# Altium PCB PCB - v2.PcbDoc (part 2 of 2)
Units mm, origin at the board's own origin, x right, y up, seen from the top; angles counter-clockwise.
Board outline 54.67 x 50.12 mm, 4 copper layers (Top Layer, Int1 (GND), Int2 (GND), Bottom Layer), stack 1.586 mm thick; 171 components, 116 nets, 752 pads, 250 vias.
Unrouted connection lines stored in the file: 6.
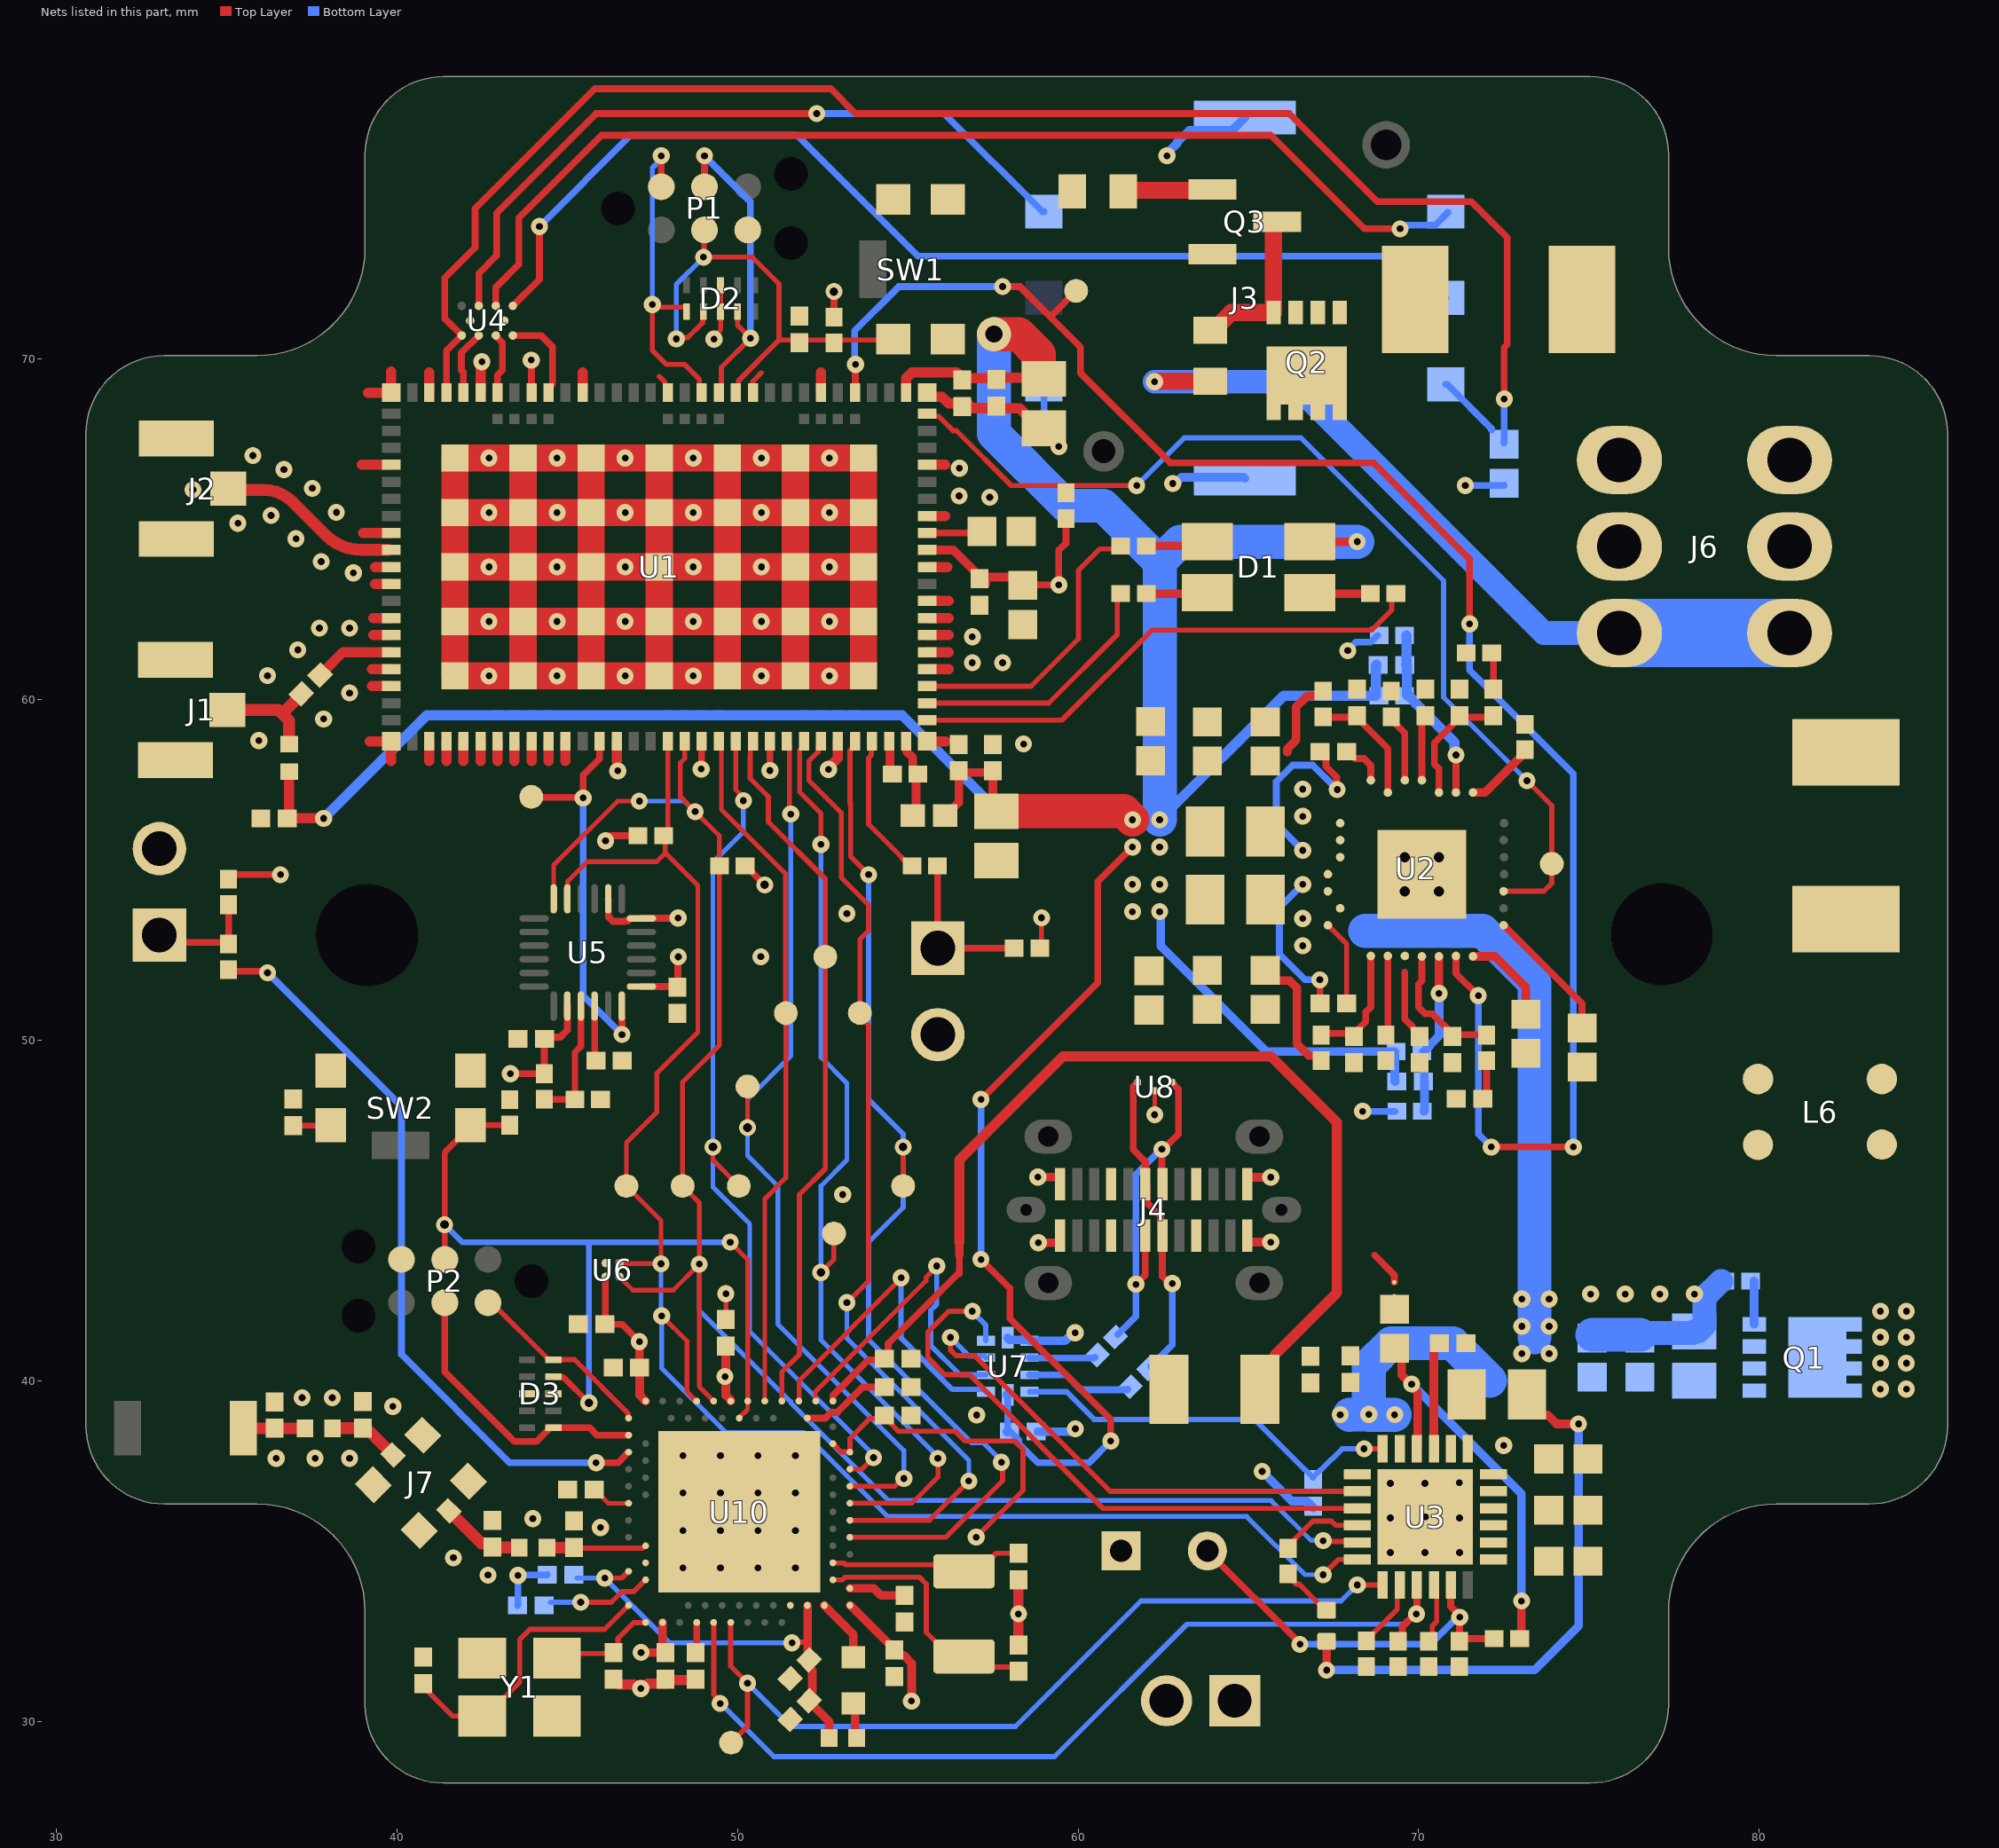
[diagram p4: the nets of this part, all layers, seen from the top]

## Via types
v1: diameter 0.5, hole 0.2, Top Layer to Bottom Layer, 237 vias
v2: diameter 0.5, hole 0.25, Top Layer to Bottom Layer, 8 vias
v3: diameter 0.6, hole 0.3, Top Layer to Bottom Layer, 4 vias
v4: diameter 1, hole 0.5, Top Layer to Bottom Layer, 1 vias

## Nets (pads, with @x,y where several pads share a name; then routed paths per layer and width w, separated by ;. In a path a pad name is that pad's centre, name@x,y a point inside that pad or via, vN(x,y) a via of type N, cw(c..) or ccw(c..) an arc to the next point about the centre after c; other vN are vias at no path point)
+1v8: C7.2 C8.2 C32.2 C36.2 C37.2 C38.2 C45.2 C48.2 C57.2 C64.2 C65.2 C74.2 C75.2 L4.2 R2.2 R11.2 R14.2 R20.2 R28.2 R32.2 R34.2 R35.1 R39.1 U1.12 U5.8 U5.13 U6.A1 U10.A22 U10.AD14 U10.AD23 U10.B1 U10.W1 U10.Y2 | length 48.3
  Top Layer w0.15: U10.Y2@52.8,38.15 53.04,37.91 53.29,37.91 53.3,37.919 53.3,38.303 53.891,38.895 54.222,38.895 C57.2@54.308,38.981 ; C57.2@54.336,38.973 54.513,38.796 54.513,38.726 54.723,38.516 56.388,38.516 56.675,38.229 58.143,38.229 58.383,37.989 58.383,36.776 v1(57.011,35.404) ; R39.1@58.928,52.705 v1(58.928,53.594)
  Top Layer w0.2: R35.1@35.052,54.781 35.135,54.864 v1(36.576,54.864) ; v1(43.33,49.014) R20.2@44.322,49.015 ; R20.2@44.323,49.016 44.328,49.021 44.328,50.033 C38.2@44.332,50.038 44.386,50.092 44.795,50.092 45.001,50.298 U5.8@45.001,51.003 ; v1(46.126,55.855) 46.126,55.89 46.243,56.007 R2.2@47.029,56.007 ; U6.A1@46.13,43.053 46.121,43.043 46.121,41.676 C36.2@46.101,41.656 46.609,41.656 v1(47.117,41.148) ; U5.13@47.176,51.578 C37.2@48.247,51.578 ; C37.2@48.234,51.563 48.247,51.576 C37.2@48.247,51.578 ; v1(48.26,52.451) 48.247,52.438 C37.2@48.247,51.578 ; C37.2@48.387,51.578 C37.2@48.247,51.578 ; R32.2@50.22,55.118 50.245,55.118 v2(50.8,54.563) ; R32.2@50.307,55.081 R32.2@50.314,55.074 ; R28.2@52.832,71.235 v2(52.832,71.991) ; C7.2@58.381,63.409 58.417,63.373 v1(59.436,63.373) 59.436,64.389 59.648,64.601 R14.2@59.648,65.276
  Top Layer w0.254: v1(47.117,41.148) 47.122,41.143 47.122,40.391 C65.2@47.126,40.386 47.126,39.574 U10.AD23@47.3,39.4 ; v1(47.164,32.017) 47.166,32.015 C45.2@47.877,32.015 ; U10.A22@47.799,32.899 47.799,32.093 C45.2@47.877,32.015 ; C45.2@47.879,32.013 C45.2@47.877,32.015 ; v1(49.631,40.121) 49.657,40.095 49.657,39.572 49.8,39.429 U10.AD14@49.8,39.4 ; v1@49.657,40.146 C64.2@49.657,41.021 ; U10.B1@53.31,33.4 54.6,32.11 C48.2@54.6,32.09 54.6,32.07 54.733,31.937 54.876,31.937 55.117,31.696 55.117,30.601 v1(55.106,30.59) ; U1.12@55.57,64.4 56.336,64.4 57.111,63.625 57.111,63.592 57.294,63.409 57.294,63.605 C7.2@58.185,63.605
  Bottom Layer w0.254: v1(62.399,53.776) 62.432,53.743 62.432,52.757 65.52,49.669 69.293,49.669 69.303,49.659 69.303,48.796 C32.2@69.313,48.786
  other v1: 61.599,53.776 61.599,54.576 62.399,54.576
+3v3: C2.2 C3.2 C4.2 C5.1 C10.2 C11.2 C12.2 C17.2 C20.2 C70.2 C71.2 D1.2 FB1.1 L1.2 L2.2 R4.2 U1.22 U7.10 | length 102.2
  Top Layer w0.2: v1(57.15,43.561) 57.996,42.715 57.996,41.826 60.96,38.862 v1(60.96,38.227) ; v1(57.15,48.26) 60.579,51.689 60.579,54.656 v1(61.599,55.676)
  Top Layer w0.25: D1.2@66.802,64.643 v1(68.199,64.643)
  Top Layer w0.254: FB1.1@56.1,56.6 56.121,56.6 56.5,56.979 56.5,57.86 57.5,57.86 57.5,56.825 C2.2@57.6,56.725
  Top Layer w0.3: L1.2@36.83,57.838 36.83,56.515 v1(37.846,56.515) ; U1.22@54.95,69.02 54.95,69.443 55.126,69.619 56.44,69.619 56.593,69.466 56.593,69.447 57.597,69.447 57.603,69.453 58.85,69.453 C10.2@58.972,69.453
  Top Layer w1: v4(57.531,70.739) 58.264,70.739 58.85,70.153 58.85,69.453 58.85,69.45 58.875,69.425 C10.2@59,69.425 ; C2.2@57.6,56.725 61.35,56.725 v1(61.599,56.476)
  Bottom Layer w0.2: v1(57.15,43.561) v1(57.15,48.26) ; C20.2@57.939,38.506 U7.10@57.939,39.581 ; C20.2@57.941,38.504 58.011,38.504 58.261,38.254 58.261,38.148 58.817,37.592 60.325,37.592 v1(60.96,38.227)
  Bottom Layer w0.3: v1(37.846,56.515) 40.881,59.55 54.83,59.55 57.904,56.476 v1(61.599,56.476) ; U7.10@57.936,39.583 U7.10@57.939,39.581 ; C20.2@57.939,38.506 C20.2@57.941,38.504 ; v1(62.399,56.476) 66.042,60.119 68.739,60.119 68.749,60.129 68.749,61.015 C17.2@68.759,61.025
  Bottom Layer w1: v4(57.531,70.739) 57.531,67.818 59.648,65.701 60.743,65.701 62.399,64.045 ; v1(62.399,56.476) 62.399,64.045 ; v1(68.199,64.643) 62.997,64.643 62.399,64.045
  other v1: 62.399,55.676
+12: C13.2 C15.2 C67.2 C73.2 Q1.1 Q1.2 Q1.3 U3.23 | length 7
  Bottom Layer w1: 67.98,39 67.984,39.004 68.546,39.004 68.55,39 v1(69.3,39) ; v1(68.541,39.009) 68.541,40.441 69.2,41.1 71,41.1 72.1,40
  other v1: 67.7,39
AGND: C24.2 ST1.2
B\M\_\E\N\: R31.2 U3.9 U10.A16 | length 27.4
  Top Layer w0.15: U10.A16@49.3,32.9 49.3,30.782 49.489,30.593 v1(49.489,30.519)
  Top Layer w0.2: R31.2@69.4,32.35 69.524,32.474 69.524,32.775 69.895,33.146 v1(69.938,33.146) ; R31.2@69.4,32.4 R31.2@69.548,32.548 ; U3.9@69.95,34 69.927,33.977 69.953,33.951 v1@69.953,33.167
  Bottom Layer w0.15: v1(49.489,30.519) 49.506,30.519 51.069,28.956 59.309,28.956 63.198,32.845 69.604,32.845 69.905,33.146 v1(69.938,33.146)
"BCK P_GOOD": R14.1 TP15.1 U1.20 U2.24 | length 30.1
  Top Layer w0.15: U1.20@55.57,68.4 55.645,68.325 55.905,68.325 56.33,67.9 56.433,67.9 58.038,66.295 v1(61.722,66.294) v1(61.722,66.294) ; U2.24@72.499,54.376 73.684,54.376 73.914,54.606 TP15.1@73.914,55.182 73.914,56.896 v1(73.187,57.623)
  Bottom Layer w0.15: v1(61.722,66.294) 63.119,67.691 66.548,67.691 70.739,63.5 70.739,60.071 v1(73.187,57.623)
BCK_CMP1: C23.1 C27.2 U2.3 | length 3.6
  Top Layer w0.2: U2.3@70.599,57.276 70.599,57.976 70.472,58.103 70.472,58.739 71.199,59.466 71.199,59.486 C23.1@72.199,59.486
BCK_CMP2: C33.2 R18.2 U2.18 | length 3.7
  Top Layer w0.2: 70.099,52.301 70.099,51.746 69.999,51.646 69.999,50.976 70.199,50.776 70.409,50.776 70.999,50.186 70.999,50.166 R18.2@71.964,50.166
BCK_EN1: C25.2 R5.1 U2.6 | length 3.5
  Top Layer w0.2: R5.1@67.234,59.486 C25.2@68.199,59.486 ; C25.2@68.199,59.466 69.099,58.566 U2.6@69.099,57.276
BCK_EN2: C30.2 R9.1 U2.15 | length 3.5
  Top Layer w0.2: R9.1@67.178,50.166 67.143,50.201 C30.2@68.064,50.201 ; C30.2@68.099,50.186 68.453,50.54 68.453,50.83 68.599,50.976 U2.15@68.599,52.476
BCK_FB1: C17.1 R4.1 R6.2 U2.2 | length 5.2
  Top Layer w0.2: U2.2@71.099,57.276 v1(71.099,58.376)
  Bottom Layer w0.3: R6.2@69.644,61.89 69.642,61.888 69.642,61.027 69.639,61.025 69.664,61 69.664,60.144 69.689,60.119 69.714,60.119 69.914,59.919 69.914,59.894 71.061,58.747 71.061,58.414 v1(71.099,58.376)
BCK_FB2: C32.1 R11.1 R16.2 U2.19 | length 4.8
  Top Layer w0.254: U2.19@70.599,52.461 70.599,51.38 v1(70.603,51.376)
  Bottom Layer w0.254: R16.2@70.163,47.912 70.178,47.927 70.178,48.771 70.168,48.781 70.168,49.644 70.143,49.669 70.168,49.669 70.341,49.842 70.341,49.867 70.603,50.129 v1(70.603,51.376)
BCK_RLIM1: R8.2 U2.5 | length 2
  Top Layer w0.2: R8.2@69.199,59.451 69.199,59.426 69.599,59.026 U2.5@69.599,57.636
BCK_RLIM2: R10.2 U2.16 | length 2.3
  Top Layer w0.15: R10.2@69.041,50.201 R10.2@69.099,50.259
  Top Layer w0.2: R10.2@69.099,50.259 U2.16@69.099,52.476
BCK_SS1: C26.2 U2.4 | length 1.7
  Top Layer w0.2: U2.4@70.099,57.636 C26.2@70.099,59.386
BCK_SS2: C31.2 U2.17 | length 2
  Top Layer w0.2: 69.599,52.001 69.599,51.576 69.599,50.622 69.818,50.404 69.818,50.376 C31.2@70.028,50.166
BCK_SW1: C16.2 L2.1 U2.9 U2.10 | length 6
  Top Layer w0.2: C16.2@67.059,58.476 67.074,58.476 67.284,58.266 67.284,58.037 67.598,57.724 67.598,57.374 v1(67.612,57.36)
  Bottom Layer w0.2: v1(66.599,55.576) 65.826,56.349 65.826,57.603 66.299,58.076 66.896,58.076 v1@67.598,57.374
BCK_SW2: C28.2 L4.1 U2.11 U2.12 | length 4.5
  Top Layer w0.2: v1(67.099,51.776) 67.104,51.771 67.104,51.081 C28.2@67.109,51.076
  Bottom Layer w0.2: v1(66.599,54.576) 65.913,53.89 65.913,52.53 66.667,51.776 v1(67.099,51.776)
BLE_ANT: ANT1.1 C55.2 L9.2 | length 2
  Top Layer w0.35: ANT1.1@35.3,38.6 C55.2@36.4,38.6 L9.2@37.295,38.6
BLE_PIN: C52.2 L8.1 U10.H23 | length 2.9
  Top Layer w0.15: C52.2@45.2,35.1 45.219,35.081 47.217,35.081 47.28,35.144 U10.H23@47.294,35.144
  Top Layer w0.35: L8.1@44.405,35.095 C52.2@45.2,35.095
Blue_LED: R24.1 U1.4 | length 8.5
  Top Layer w0.15: U1.4@55.57,60.4 58.622,60.4 60.015,61.793 60.015,63.803 60.641,64.429 61.066,64.429 R24.1@61.153,64.516
BM_INT: TP14.1 U3.7 U10.A14 | length 24.8
  Top Layer w0.15: U10.A14@49.8,32.9 49.8,31.616 50.292,31.124 v1(50.292,31.115) 50.292,29.849 TP14.1@49.812,29.369 ; v1(68.2,34) U3.7@68.95,34
  Bottom Layer w0.15: v1(50.292,31.115) 51.562,29.845 58.166,29.845 61.849,33.528 67.728,33.528 v1(68.2,34)
BM_REGN: C24.1 R13.2 U3.22 | length 12
  Top Layer w0.254: C24.1@69.3,40.9 69.502,40.698 69.502,40.172 69.774,39.9 v1(69.8,39.9) 69.8,39.833 69.972,39.662 69.972,38.022 U3.22@69.95,38 ; R13.2@73.02,32.423 73.022,32.426 73.022,33.525 v1(73.025,33.528)
  Bottom Layer w0.254: v1(69.8,39.9) 73.025,36.675 v1(73.025,33.528)
BM_SW: C18.2 L3.1 U3.19 U3.20
BM_TS: R13.1 R15.2 R27.2 U3.11 | length 11.6
  Top Layer w0.2: R27.2@63.8,35 66.517,32.283 v1(66.517,32.258) ; U3.11@70.95,34 70.944,33.994 70.944,33.372 71.21,33.105 v1(71.21,33.051) 71.205,33.046 71.205,32.405 71.2,32.4 71.223,32.423 R13.1@72.17,32.423
  Bottom Layer w0.2: v1(66.517,32.258) 70.354,32.258 71.148,33.051 v1(71.21,33.051)
COEX0: TP4.1 U1.93 U10.AD8 | length 20.9
  Top Layer w0.15: U1.93@50.45,58.78 50.375,58.705 50.375,58.391 50.371,58.387 50.371,57.686 50.903,57.154 50.903,56.412 52.578,54.737 TP4.1@52.578,52.451 52.578,46.228 51.816,45.466 51.816,40.767 51.3,40.251 U10.AD8@51.3,39.4
COEX1: TP3.1 U1.92 U10.U1 | length 25.8
  Top Layer w0.14: v2(49.276,46.863) 49.276,46.482 TP3.1@50.038,45.72 ; U1.92@49.987,58.729 49.95,58.692 49.95,57.356 50.172,57.133 v1(50.172,57.036) ; U10.U1@53.3,37.4 53.655,37.4 v1(53.993,37.738)
  Bottom Layer w0.14: v2@49.276,46.99 v2(49.276,46.863) ; v1(50.172,57.036) 50.172,56.12 49.276,55.224 v2(49.276,46.863) ; v1(53.993,37.738) 53.993,37.812 50.358,41.447 50.358,44.604 49.276,45.686 v2(49.276,46.863)
COEX2: TP1.1 U1.91 U10.AD10 | length 20.4
  Top Layer w0.14: U1.91@49.45,58.78 49.523,58.707 49.523,56.776 51.41,54.889 TP1.1@51.41,50.796 ; U10.AD10@50.8,39.4 50.8,45.339 51.419,45.958 TP1.1@51.419,50.796
CTS_INT_MCU: TP7.1 U1.96 U10.N1 | length 28.2
  Top Layer w0.14: U1.96@51.95,58.78 51.95,58.66 51.826,58.536 51.826,57.282 52.451,56.656 v1(52.451,55.753) ; v2(52.451,43.18) 52.832,43.561 TP7.1@52.832,44.323 ; U10.N1@53.3,36.4 55.12,36.4 55.885,37.165 55.885,37.714 v1(55.881,37.718)
  Bottom Layer w0.14: v1(52.451,55.753) 52.451,49.499 53.213,48.737 53.213,46.482 52.451,45.72 v2(52.451,43.18) 52.451,41.193 55.881,37.763 v1(55.881,37.718)
D_BM_N: U3.3 U7.4 | length 17.8
  Top Layer w0.15: v1(56.896,42.037) 56.199,42.037 55.59,41.428 55.59,40.677 56.094,40.173 56.813,40.173 60.736,36.25 U3.3@68.2,36.25
  Bottom Layer w0.16: v1(56.896,42.037) 56.896,42.019 57.29,41.625 U7.4@57.29,41.179
D_BM_P: U3.2 U7.3 | length 15.3
  Top Layer w0.15: v1(56.253,41.272) 56.254,41.27 56.254,40.901 56.419,40.736 56.957,40.736 60.943,36.75 U3.2@68.2,36.75
  Bottom Layer w0.15: v1(56.253,41.272) 56.801,40.723 57.246,40.723 U7.3@57.296,40.673
D_MCU_N: U7.2 U10.AD4 | length 9.8
  Top Layer w0.14: U10.AD4@52.3,39.4 52.289,39.411 52.289,39.454 52.287,39.456 52.287,39.683 55.536,42.932 55.536,43.031 55.849,43.344 v1(55.849,43.369)
  Bottom Layer w0.15: v1(55.849,43.369) 55.849,42.241 55.674,42.065 55.674,41.032 56.532,40.173 U7.2@57.296,40.173
D_MCU_P: U7.1 U10.AD6 | length 9.8
  Top Layer w0.14: U10.AD6@51.8,39.4 51.8,39.442 51.813,39.456 51.813,40.007 54.804,42.998 v1(54.804,43.022)
  Bottom Layer w0.16: v1(54.804,43.022) 54.804,41.247 56.309,39.743 57.226,39.743 U7.1@57.296,39.673
D_N: R25.2 U7.7 | length 1.9
  Bottom Layer w0.2: U7.7@58.576,40.673 58.582,40.667 60.479,40.667 R25.2@60.497,40.685
D_N_CONN: J4.A7 J4.B7 R25.1 U8.2 | length 11
  Top Layer w0.2: v1(61.701,42.832) 61.976,43.106 J4.A7@61.976,44.265 ; J4.B7@62.476,45.775 62.463,45.787 v1(62.463,46.799) 62.463,46.928 62.513,46.878 62.58,46.878 62.951,47.248 62.951,48.565 U8.2@62.751,48.765
  Bottom Layer w0.2: R25.1@61.169,41.357 61.701,41.889 v1(61.701,42.832) 61.701,46.058 62.442,46.799 v1(62.463,46.799)
D_P: R26.2 U7.8 | length 3.1
  Bottom Layer w0.2: U7.8@58.576,40.173 59.649,40.173 60.089,39.733 61.45,39.733 R26.2@61.468,39.751
D_P_CONN: J4.A6 J4.B6 R26.1 U8.3 | length 9.1
  Top Layer w0.2: U8.3@61.751,48.765 61.622,48.636 61.622,46.786 61.98,46.428 61.98,45.771 62.026,45.725 62.026,45.22 62.426,44.82 62.426,44.315 J4.A6@62.476,44.265 62.476,43.065 ; 62.478,43.065 v1@62.689,42.855
  Bottom Layer w0.2: R26.1@62.14,40.423 62.77,41.053 v1(62.77,42.855)
DSEL: C29.2 U3.24 U7.9 | length 11.8
  Top Layer w0.16: v1(68.4,38) U3.24@68.95,38
  Bottom Layer w0.16: U7.9@58.576,39.673 59.665,39.673 60.476,38.862 65.178,38.862 66.65,37.39 66.67,37.39 C29.2@66.9,37.16 ; C29.2@66.9,37.14 C29.2@66.9,37.16 ; v1(68.4,38) 67.76,38 67.15,37.39 67.13,37.39 C29.2@66.9,37.16
GND: C1.1 C2.1 C3.1 C4.1 C5.2 C7.1 C8.1 C9.1 C10.1 C11.1 C12.1 C13.1 C14.1 C15.1 C19.1 C20.1 C21.1 C22.1 C25.1 C26.1 C27.1 C29.1 C30.1 C31.1 C33.1 C34.1 C35.1 C36.1 C37.1 C38.1 C39.1 C40.1 C41.1 C42.1 C43.1 C45.1 C46.1 C47.1 C48.1 C49.1 C50.1 C51.1 C52.1 C53.1 C54.1 C55.1 C56.1 C57.1 C58.1 C59.1 C60.1 C63.1 C64.1 C65.1 C66.1 C67.1 C68.1 C69.1 C70.1 C71.1 C72.1 C73.1 C74.1 C75.1 D2.3 D2.8 D3.3 D3.8 J1.2 J1.3 J2.2 J2.3 J3.C4 J3.C5 J3.C8 J4.A1 J4.A12 J4.B1 J4.B12 J5.2 J7.3 J7.4 J7.5 J7.6 J8.2 J9.2 L6.2 P1.5 P2.5 Q2.5 Q2.6 Q2.7 Q2.8 Q2.9 Q3.2 R3.1 R6.1 R7.2 R8.1 R10.1 R15.1 R16.1 R17.1 R19.1 R21.1 R27.1 R31.1 R33.1 ST1.1 SW1.2 SW1.4 SW2.2 SW2.4 U1.1 U1.5 U1.6 U1.7 U1.8 U1.9 U1.11 U1.14 U1.17 U1.21 U1.27 U1.31 U1.36 U1.41 U1.44 U1.47 U1.50 U1.52 U1.56 U1.60 U1.62 U1.63 U1.65 U1.66 U1.68 U1.69 U1.72 U1.74 U1.75 U1.76 U1.77 U1.78 U1.79 U1.80 U1.81 U1.82 U1.85 U1.90 U1.94 U1.98 U1.103 U2.29 U3.17 U3.18 U3.25 U4.B1 U4.B2 U5.18 U5.20 U6.A2 U7.5 U7.6 U8.1 U10.74 U10.B7 U10.F23 Y1.2 Y1.4 | length 171.5
  Top Layer w0.13: v1(62.251,47.809) U8.1@62.251,48.515
  Top Layer w0.14: v1(49.309,70.591) 49.309,70.671 49.5,70.862 D2.3@49.5,71.4 D2.8@49.5,72.175 ; C64.1@49.657,41.801 v1(49.657,42.554)
  Top Layer w0.15: 47.7,69.5 47.875,69.325 47.875,69.095 U1.36@47.95,69.02 ; U1.31@50.45,69.02 50.45,69.35 50.7,69.6
  Top Layer w0.2: v1@43.946,69.973 43.946,69.024 U1.44@43.95,69.02 ; U5.20@46.201,54.153 46.205,54.149 46.205,53.621 46.334,53.492 46.694,53.492 46.706,53.504 46.775,53.504 U5.18@46.845,53.574 ; U5.18@47.176,53.578 47.18,53.582 48.249,53.582 v1(48.255,53.587) ; v1(48.932,57.964) 48.941,57.972 48.941,58.771 U1.90@48.95,58.78 ; U1.94@50.95,58.78 50.951,58.779 v1(50.952,57.924) v1(50.952,57.924) ; 68.707,43.688 69.289,43.106 ST1.1@69.289,42.891
  Top Layer w0.254: U1.1@55.57,58.78 U1.1@55.6,58.75 ; v1(58.822,45.982) 59.453,45.982 59.476,45.959 J4.B1@59.476,45.775 ; v1(58.833,44.053) 59.453,44.053 59.476,44.076 J4.A12@59.476,44.265 ; J4.A1@64.976,44.265 64.976,44.092 64.999,44.069 v1(65.659,44.069) ; J4.B12@64.976,45.775 64.976,45.951 64.999,45.974 v1(65.659,45.974)
  Top Layer w0.3: 38.968,66.9 U1.56@39.83,66.9 ; 39,64.9 U1.60@39.83,64.9 ; 39.148,69.02 U1.52@39.83,69.02 39.83,69.638 ; 39.2,58.78 U1.72@39.83,58.78 39.83,58.2 ; 39.268,60.4 U1.69@39.83,60.4 ; 39.268,60.9 U1.68@39.83,60.9 ; 39.3,61.9 U1.66@39.83,61.9 ; 39.3,62.4 U1.65@39.83,62.4 ; 39.35,63.4 U1.63@39.83,63.4 ; 39.35,63.9 U1.62@39.83,63.9 ; 40.95,58.2 U1.74@40.95,58.78 ; U1.50@40.95,69.02 40.95,69.618 ; 41.45,58.2 U1.75@41.45,58.78 ; 41.95,58.2 U1.76@41.95,58.78 ; 42.45,58.2 U1.77@42.45,58.78 ; U1.47@42.45,69.02 42.45,69.832 42.491,69.874 v1(42.491,69.928) ; 42.95,58.2 U1.78@42.95,58.78 ; 43.45,58.2 U1.79@43.45,58.78 ; 43.95,58.2 U1.80@43.95,58.78 ; 44.45,58.2 U1.81@44.45,58.78 ; 44.95,58.2 U1.82@44.95,58.78 ; U1.41@45.45,69.02 45.45,69.618 ; C43.1@46.4,31.21 46.4,31.19 46.51,31.08 46.98,31.08 47.103,30.957 47.211,30.957 47.357,31.103 47.893,31.103 48,31.21 C42.1@48.8,31.21 ; 46.45,58.2 U1.85@46.45,58.78 ; v1@50.7,60.646 v1(50.7,60.7) ; U1.27@52.45,69.02 52.45,69.618 ; v1(52.67,57.954) 52.67,58.008 52.95,58.288 U1.98@52.95,58.78 ; U1.1@55.57,58.78 56.109,58.78 ; U1.5@55.57,60.9 56.2,60.9 ; U1.6@55.57,61.4 56.2,61.4 ; U1.7@55.57,61.9 56.2,61.9 ; U1.8@55.57,62.4 56.2,62.4 ; U1.9@55.57,62.9 56.2,62.9 ; U1.11@55.57,63.9 56.157,63.9 ; U1.14@55.57,65.4 56.1,65.4 ; U1.17@55.57,66.9 56.1,66.9 ; U1.21@55.57,69.02 55.69,68.9 56,68.9 56.2,68.7 C12.1@56.778,68.7 ; C12.1@56.6,68.56 56.607,68.567 57.597,68.567 57.597,68.56 58.29,68.56 58.875,67.975 C10.1@59,67.975 ; C50.1@58.25,32.24 v1(58.25,33.15) C51.1@58.25,34.15
  Top Layer w0.8: U1.103@41.7,62.3 v1(42.7,62.3) U1.103@43.7,62.3 ; U1.103@41.7,62.3 U1.103@41.7,63.9 ; U1.103@41.7,62.3 U1.103@41.7,60.7 v1(42.7,60.7) U1.103@43.7,60.7 ; U1.103@41.7,63.9 v1(42.7,63.9) U1.103@43.7,63.9 ; U1.103@41.7,63.9 U1.103@41.7,65.5 ; U1.103@41.7,65.5 v1(42.7,65.5) U1.103@43.7,65.5 ; U1.103@41.7,65.5 U1.103@41.7,67.1 v1(42.7,67.1) U1.103@43.7,67.1 ; U1.103@43.7,60.7 U1.103@43.7,62.3 ; U1.103@43.7,60.7 v1(44.7,60.7) U1.103@45.7,60.7 ; U1.103@43.7,62.3 U1.103@43.7,63.9 ; U1.103@43.7,62.3 v1(44.7,62.3) U1.103@45.7,62.3 ; U1.103@43.7,63.9 U1.103@43.7,65.5 ; U1.103@43.7,63.9 v1(44.7,63.9) U1.103@45.7,63.9 ; U1.103@43.7,65.5 U1.103@43.7,67.1 ; U1.103@43.7,65.5 v1(44.7,65.5) U1.103@45.7,65.5 ; U1.103@43.7,67.1 v1(44.7,67.1) U1.103@45.7,67.1 ; U1.103@45.7,60.7 U1.103@45.7,62.3 ; U1.103@45.7,60.7 v1(46.7,60.7) U1.103@47.7,60.7 ; U1.103@45.7,62.3 U1.103@45.7,63.9 ; U1.103@45.7,62.3 v1(46.7,62.3) U1.103@47.7,62.3 ; U1.103@45.7,63.9 U1.103@45.7,65.5 ; U1.103@45.7,63.9 v1(46.7,63.9) U1.103@47.7,63.9 ; U1.103@45.7,65.5 U1.103@45.7,67.1 ; U1.103@45.7,65.5 v1(46.7,65.5) U1.103@47.7,65.5 ; U1.103@45.7,67.1 v1(46.7,67.1) U1.103@47.7,67.1 ; U1.103@47.7,60.7 U1.103@47.7,62.3 ; U1.103@47.7,60.7 v1(48.7,60.7) U1.103@49.7,60.7 ; U1.103@47.7,62.3 U1.103@47.7,63.9 ; U1.103@47.7,62.3 v1(48.7,62.3) U1.103@49.7,62.3 ; U1.103@47.7,63.9 U1.103@47.7,65.5 ; U1.103@47.7,63.9 v1(48.7,63.9) U1.103@49.7,63.9 ; U1.103@47.7,65.5 U1.103@47.7,67.1 ; U1.103@47.7,65.5 v1(48.7,65.5) U1.103@49.7,65.5 ; U1.103@47.7,67.1 v1(48.7,67.1) U1.103@49.7,67.1 ; U1.103@49.7,60.7 U1.103@49.7,62.3 ; U1.103@49.7,60.7 v1(50.7,60.7) U1.103@51.7,60.7 ; U1.103@49.7,62.3 U1.103@49.7,63.9 ; U1.103@49.7,62.3 v1(50.7,62.3) U1.103@51.7,62.3 ; U1.103@49.7,63.9 U1.103@49.7,65.5 ; U1.103@49.7,63.9 v1(50.7,63.9) U1.103@51.7,63.9 ; U1.103@49.7,65.5 U1.103@49.7,67.1 ; U1.103@49.7,65.5 v1(50.7,65.5) U1.103@51.7,65.5 ; U1.103@49.7,67.1 v1(50.7,67.1) U1.103@51.7,67.1 ; U1.103@51.7,60.7 U1.103@51.7,62.3 ; U1.103@51.7,60.7 v1(52.7,60.7) U1.103@53.7,60.7 U1.103@53.7,62.3 ; U1.103@51.7,62.3 U1.103@51.7,63.9 ; U1.103@51.7,62.3 v1(52.7,62.3) U1.103@53.7,62.3 ; U1.103@51.7,63.9 v1(52.7,63.9) U1.103@53.7,63.9 ; U1.103@51.7,63.9 U1.103@51.7,65.5 ; U1.103@51.7,65.5 U1.103@51.7,67.1 ; U1.103@51.7,65.5 v1(52.7,65.5) U1.103@53.7,65.5 ; U1.103@51.7,67.1 v1(52.7,67.1) U1.103@53.7,67.1 U1.103@53.7,65.5 ; U1.103@53.7,62.3 U1.103@53.7,63.9 ; U1.103@53.7,63.9 U1.103@53.7,65.5